# Allegro board REF_038HX-888005K4R-A100.brd (continued)
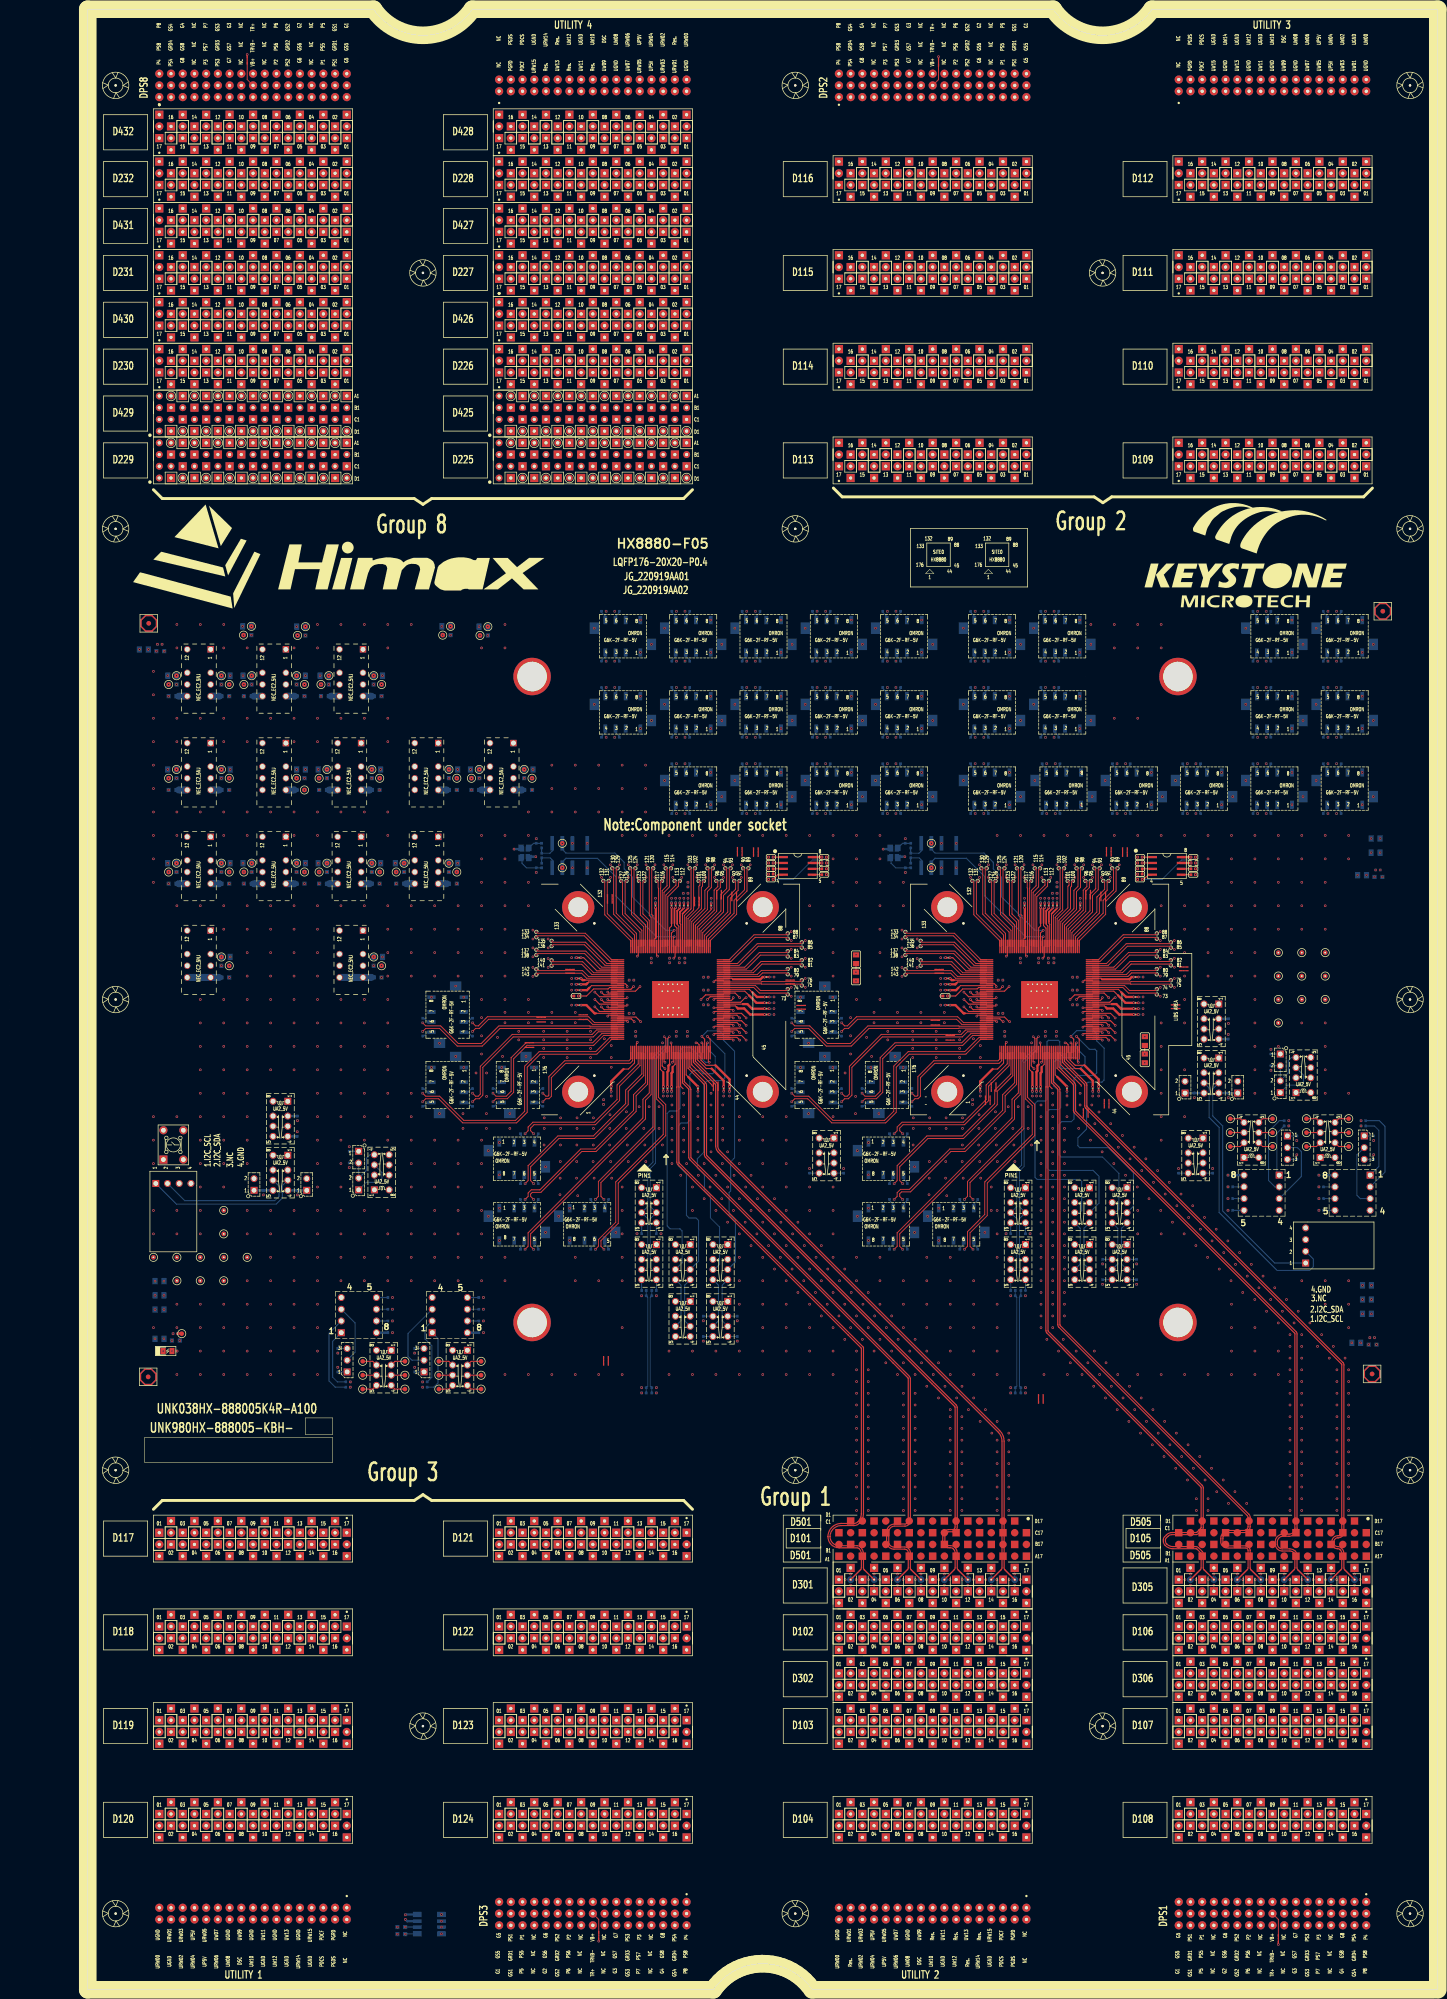
[diagram p0: board, top side]
## Routing (per net, layer and track width the routed paths; a pad name or vN(x,y) marks a point on that pad's centre or on a via; arc(x,y) is an arc through that point) (continued)
N24642488: length 2.2
  BOTTOM w0.231: K24.6 94.63,161.6 93.8,160.77 R53.2
N24642490: length 2.2
  BOTTOM w0.231: K24.5 96.83,161.55 97.66,160.72 R54.1
N24780353: length 2.4
  BOTTOM w0.231: R131.1 K12.4
N24780370: length 2.4
  BOTTOM w0.231: R132.1 K12.5
N24787993: length 2.3
  BOTTOM w0.889: 94.1,260.04 CA21.1
  BOTTOM w1.524: K34.5 94.1,260.04
N24789529: length 7.4
  BOTTOM w0.889: 61.48,219.4 CA23.1
  BOTTOM w1.524: 61.48,219.4 K36.5 K36.8
N24789779: length 2.3
  BOTTOM w0.889: 61.48,280.36 CA24.1
  BOTTOM w1.524: K37.5 61.48,280.36
N24793751: length 3.4
  TOP w0.231: UT1.3 RT5.1 RT3.1
N24793759: length 16.2
  TOP w0.231: UT1.4 149.59,241.68 v1(148.57,240.67)
  BOTTOM w0.231: v1(148.57,240.67) 152.89,240.67 157.11,244.89 159.52,244.89 v1(160.13,245.49)
N24793795: length 2.1
  TOP w0.231: UT1.6 RT7.2
N24793797: length 2.1
  TOP w0.231: UT1.5 RT8.2
N25306310: length 2.2
  BOTTOM w0.231: R102.2 93.8,185.29 94.63,184.46 K22.3
N25306320: length 2.2
  BOTTOM w0.231: K22.4 96.83,184.5 97.66,185.33 R103.1
N25306354: length 2.2
  BOTTOM w0.231: R104.2 83.17,195.33 82.34,194.5 K27.3
N25306364: length 2.2
  BOTTOM w0.231: R105.1 83.22,191.47 82.39,192.3 K27.4
N25330426: length 2.3
  BOTTOM w0.889: 61.08,239.72 CA29.1
  BOTTOM w1.524: K42.5 61.08,239.72
N25334489: length 2.3
  BOTTOM w0.889: 61.08,260.04 CA26.1
  BOTTOM w1.524: K39.5 61.08,260.04
N25337760: length 2.3
  BOTTOM w0.889: 77.79,260.04 CA34.1
  BOTTOM w1.524: K31.5 77.79,260.04
N25339188: length 2.3
  BOTTOM w0.889: 77.79,239.72 CA27.1
  BOTTOM w1.524: K40.5 77.79,239.72
N25362248: length 2.1
  BOTTOM w0.508: K33.2 R82.1
N25362250: length 2.1
  BOTTOM w0.508: K33.4 R117.1
N25362465: length 2.2
  BOTTOM w0.231: K11.3 144.88,272.51 145.71,271.68 R39.2
N25362471: length 2.2
  BOTTOM w0.231: R40.1 141.85,271.64 142.68,272.47 K11.4
N25362509: length 2.2
  BOTTOM w0.231: K8.5 142.68,264.69 141.85,265.52 R38.1
N25362552: length 2.2
  BOTTOM w0.231: K8.3 144.88,256 145.71,255.17 R35.2
N25362554: length 2.2
  BOTTOM w0.231: K8.4 142.68,255.96 141.85,255.13 R36.1
N25362556: length 2.2
  BOTTOM w0.231: R37.2 145.71,265.47 144.88,264.64 K8.6
N25362573: length 2.2
  BOTTOM w0.231: K11.6 144.88,281.15 145.71,281.98 R41.2
N25362575: length 2.2
  BOTTOM w0.231: K11.5 142.68,281.2 141.85,282.03 R42.1
N25362658: length 2.2
  BOTTOM w0.231: R18.1 172.33,298.54 173.16,297.71 K3.5
N25362663: length 2.2
  BOTTOM w0.231: K3.6 175.36,297.66 176.19,298.49 R17.2
N25362668: length 2.2
  BOTTOM w0.231: R16.1 172.33,288.15 173.16,288.98 K3.4
N25362670: length 2.2
  BOTTOM w0.231: K3.3 175.36,289.02 176.19,288.19 R15.2
N25362705: length 2.2
  BOTTOM w0.231: R10.1 172.33,282.03 173.16,281.2 K1.5
N25362707: length 2.2
  BOTTOM w0.231: K1.6 175.36,281.15 176.19,281.98 R9.2
N25362709: length 2.2
  BOTTOM w0.231: K1.4 173.16,272.47 172.33,271.64 R8.1
N25362711: length 2.2
  BOTTOM w0.231: R7.2 176.19,271.68 175.36,272.51 K1.3
N25362734: length 2.2
  BOTTOM w0.231: K2.3 175.36,256 176.19,255.17 R11.2
N25362739: length 2.2
  BOTTOM w0.231: K2.4 173.16,255.96 172.33,255.13 R12.1
N25362741: length 2.2
  BOTTOM w0.231: R22.1 157.09,298.54 157.92,297.71 K4.5
N25362761: length 2.2
  BOTTOM w0.231: R19.2 160.95,288.19 160.12,289.02 K4.3
N25362763: length 2.2
  BOTTOM w0.231: R20.1 157.09,288.15 157.92,288.98 K4.4
N25362765: length 2.2
  BOTTOM w0.231: K4.6 160.12,297.66 160.95,298.49 R21.2
N25362815: length 2.2
  BOTTOM w0.231: R26.1 157.09,265.52 157.92,264.69 K5.5
N25362863: length 2.2
  BOTTOM w0.231: K5.3 160.12,256 160.95,255.17 R23.2
N25362865: length 2.2
  BOTTOM w0.231: K5.4 157.92,255.96 157.09,255.13 R24.1
N25362867: length 2.2
  BOTTOM w0.231: R25.2 160.95,265.47 160.12,264.64 K5.6
N25363066: length 2.2
  BOTTOM w0.231: K16.3 129.64,256 130.47,255.17 R67.2
N25363068: length 2.2
  BOTTOM w0.231: R68.1 126.61,255.13 127.44,255.96 K16.4
N25363070: length 2.2
  BOTTOM w0.231: R70.1 126.61,265.52 127.44,264.69 K16.5
N25363072: length 2.2
  BOTTOM w0.231: K16.6 129.64,264.64 130.47,265.47 R69.2
N25363098: length 2.2
  BOTTOM w0.231: K17.3 129.64,272.51 130.47,271.68 R71.2
N25363100: length 2.2
  BOTTOM w0.231: K17.4 127.44,272.47 126.61,271.64 R72.1
N25363118: length 2.2
  BOTTOM w0.231: R74.1 126.61,282.03 127.44,281.2 K17.5
N25363120: length 2.2
  BOTTOM w0.231: K17.6 129.64,281.15 130.47,281.98 R73.2
N25363130: length 2.2
  BOTTOM w0.231: K21.3 129.64,289.02 130.47,288.19 R75.2
N25363148: length 2.2
  BOTTOM w0.231: R76.1 126.61,288.15 127.44,288.98 K21.4
N25363150: length 2.2
  BOTTOM w0.231: R78.1 126.61,298.54 127.44,297.71 K21.5
N25363152: length 2.2
  BOTTOM w0.231: R77.2 130.47,298.49 129.64,297.66 K21.6
N25363178: length 2.2
  BOTTOM w0.231: R79.2 115.23,271.68 114.4,272.51 K29.3
N25363180: length 2.2
  BOTTOM w0.231: K29.4 112.2,272.47 111.37,271.64 R80.1
N25363198: length 2.2
  BOTTOM w0.231: K2.5 173.16,264.69 172.33,265.52 R14.1
N25363200: length 2.2
  BOTTOM w0.231: R13.2 176.19,265.47 175.36,264.64 K2.6
N25363358: length 2.2
  BOTTOM w0.231: R43.2 115.23,281.98 114.4,281.15 K29.6
N25363360: length 2.2
  BOTTOM w0.231: R44.1 111.37,282.03 112.2,281.2 K29.5
N25363376: length 2.2
  BOTTOM w0.231: R63.2 115.23,288.19 114.4,289.02 K30.3
N25363378: length 2.2
  BOTTOM w0.231: R64.1 111.37,288.15 112.2,288.98 K30.4
N25363404: length 2.2
  BOTTOM w0.231: K30.5 112.2,297.71 111.37,298.54 R101.1
N25363406: length 2.2
  BOTTOM w0.231: K30.6 114.4,297.66 115.23,298.49 R100.2
N25363469: length 2.2
  BOTTOM w0.231: K6.5 157.92,281.2 157.09,282.03 R30.1
N25363533: length 2.2
  BOTTOM w0.231: K6.3 160.12,272.51 160.95,271.68 R27.2
N25363535: length 2.2
  BOTTOM w0.231: R28.1 157.09,271.64 157.92,272.47 K6.4
N25363537: length 2.2
  BOTTOM w0.231: K6.6 160.12,281.15 160.95,281.98 R29.2
N25363539: length 2.2
  BOTTOM w0.231: R34.1 141.85,298.54 142.68,297.71 K7.5
N25363555: length 2.2
  BOTTOM w0.231: R31.2 145.71,288.19 144.88,289.02 K7.3
N25363557: length 2.2
  BOTTOM w0.231: R32.1 141.85,288.15 142.68,288.98 K7.4
N25363559: length 2.2
  BOTTOM w0.231: K7.6 144.88,297.66 145.71,298.49 R33.2
N25363681: length 5.3
  BOTTOM w0.231: R5.1 R6.2 100.25,245.33 100.66,244.92 K18.4
N25363685: length 5.3
  BOTTOM w0.231: R133.1 R6.1 100.19,246.33 100.66,246.8 K18.5
N25363701: length 3.5
  BOTTOM w0.231: R133.2 C5.1 96.65,248.49 Y1.1
N25363703: length 6.1
  BOTTOM w0.231: R5.2 C6.1 95.12,243.17 94.14,244.15 Y1.3
N25363863: length 2.1
  BOTTOM w0.231: K13.5 R120.2
N25363865: length 2.1
  BOTTOM w0.231: K13.4 R119.2
N25363959: length 4.1
  BOTTOM w0.508: J5.1 R84.2 K28.5
N25363975: length 4.1
  BOTTOM w0.508: K28.4 R83.2 J4.1
N25462044: length 2.3
  BOTTOM w0.889: 52.36,260.04 CA37.1
  BOTTOM w1.524: K39.8 52.36,260.04
N25462912: length 2.3
  BOTTOM w0.889: 52.36,239.72 CA40.1
  BOTTOM w1.524: K42.8 52.36,239.72
N25463486: length 2.3
  BOTTOM w0.889: 69.07,239.72 CA28.1
  BOTTOM w1.524: K40.8 69.07,239.72
N25464528: length 2.3
  BOTTOM w0.889: 52.77,280.36 CA25.1
  BOTTOM w1.524: K37.8 52.77,280.36
N25465136: length 2.3
  BOTTOM w0.889: 85.38,260.04 CA22.1
  BOTTOM w1.524: K34.8 85.38,260.04
N25611014: length 12.4
  BOTTOM w0.231: UNK2R85.2 UNK2J1.2 UNK2S1_RST_N.2 260.23,198.73 260.23,201.39 260.9,202.06 UNK2K10.4
N25611025: length 2
  BOTTOM w0.231: UNK2J1.1 UNK2C7.1
N25611039: length 2.2
  BOTTOM w0.231: UNK2R55.2 163.17,210.57 162.34,209.74 UNK2K25.3
N25611040: length 2.2
  BOTTOM w0.231: UNK2R56.1 163.22,206.71 162.39,207.54 UNK2K25.4
N25611041: length 2.2
  BOTTOM w0.231: UNK2R57.2 152.88,210.57 153.71,209.74 UNK2K25.6
N25611042: length 2.2
  BOTTOM w0.231: UNK2R58.1 152.83,206.71 153.66,207.54 UNK2K25.5
N25611050: length 2.2
  BOTTOM w0.231: UNK2K26.3 177.58,194.5 178.41,195.33 UNK2R59.2
N25611051: length 2.2
  BOTTOM w0.231: UNK2K26.4 177.63,192.3 178.46,191.47 UNK2R60.1
N25611052: length 2.2
  BOTTOM w0.231: UNK2K26.6 168.95,194.5 168.12,195.33 UNK2R61.2
N25611053: length 2.2
  BOTTOM w0.231: UNK2R62.1 168.07,191.47 168.9,192.3 UNK2K26.5
N25611061: length 2.2
  BOTTOM w0.231: UNK2K27.5 153.66,192.3 152.83,191.47 UNK2R66.1
N25611062: length 2.2
  BOTTOM w0.231: UNK2R65.2 152.88,195.33 153.71,194.5 UNK2K27.6
N25611083: length 2.2
  BOTTOM w0.231: UNK2K22.6 174.63,175.83 173.8,175 UNK2R45.2
N25611084: length 2.2
  BOTTOM w0.231: UNK2K22.5 176.83,175.78 177.66,174.95 UNK2R46.1
N25611085: length 2.2
  BOTTOM w0.231: UNK2R47.2 189.04,171.07 189.87,170.24 UNK2K23.3
N25611086: length 2.2
  BOTTOM w0.231: UNK2R48.1 192.9,171.11 192.07,170.28 UNK2K23.4
N25611087: length 2.2
  BOTTOM w0.231: UNK2K23.6 189.87,161.6 189.04,160.77 UNK2R49.2
N25611088: length 2.2
  BOTTOM w0.231: UNK2K23.5 192.07,161.55 192.9,160.72 UNK2R50.1
N25611096: length 2.2
  BOTTOM w0.231: UNK2R51.2 173.8,171.07 174.63,170.24 UNK2K24.3
N25611097: length 2.2
  BOTTOM w0.231: UNK2R52.1 177.66,171.11 176.83,170.28 UNK2K24.4
N25611098: length 2.2
  BOTTOM w0.231: UNK2K24.6 174.63,161.6 173.8,160.77 UNK2R53.2
N25611099: length 2.2
  BOTTOM w0.231: UNK2K24.5 176.83,161.55 177.66,160.72 UNK2R54.1
N25611164: length 2.4
  BOTTOM w0.231: UNK2R131.1 UNK2K12.4
N25611166: length 2.4
  BOTTOM w0.231: UNK2R132.1 UNK2K12.5
N25611179: length 2.2
  BOTTOM w0.231: UNK2R102.2 173.8,185.29 174.63,184.46 UNK2K22.3
N25611180: length 2.2
  BOTTOM w0.231: UNK2K22.4 176.83,184.5 177.66,185.33 UNK2R103.1
N25611181: length 2.2
  BOTTOM w0.231: UNK2R104.2 163.17,195.33 162.34,194.5 UNK2K27.3
N25611182: length 2.2
  BOTTOM w0.231: UNK2R105.1 163.22,191.47 162.39,192.3 UNK2K27.4
N25611602: length 2.1
  BOTTOM w0.508: UNK2K33.2 UNK2R82.1
N25611603: length 2.1
  BOTTOM w0.508: UNK2K33.4 UNK2R117.1
N25611639: length 2.2
  BOTTOM w0.231: UNK2R39.2 210.47,288.19 209.64,289.02 UNK2K11.3
N25611640: length 2.2
  BOTTOM w0.231: UNK2K11.4 207.44,288.98 206.61,288.15 UNK2R40.1
N25611647: length 2.2
  BOTTOM w0.231: UNK2R38.1 222.11,265.52 222.94,264.69 UNK2K8.5
N25611655: length 2.2
  BOTTOM w0.231: UNK2K8.3 225.14,256 225.97,255.17 UNK2R35.2
N25611656: length 2.2
  BOTTOM w0.231: UNK2K8.4 222.94,255.96 222.11,255.13 UNK2R36.1
N25611657: length 2.2
  BOTTOM w0.231: UNK2K8.6 225.14,264.64 225.97,265.47 UNK2R37.2
N25611658: length 2.2
  BOTTOM w0.231: UNK2K11.6 209.64,297.66 210.47,298.49 UNK2R41.2
N25611659: length 2.2
  BOTTOM w0.231: UNK2R42.1 206.61,298.54 207.44,297.71 UNK2K11.5
N25611669: length 2.2
  BOTTOM w0.231: UNK2K3.5 268.66,297.71 267.83,298.54 UNK2R18.1
N25611670: length 2.2
  BOTTOM w0.231: UNK2K3.6 270.86,297.66 271.69,298.49 UNK2R17.2
N25611671: length 2.2
  BOTTOM w0.231: UNK2R16.1 267.83,288.15 268.66,288.98 UNK2K3.4
N25611672: length 2.2
  BOTTOM w0.231: UNK2R15.2 271.69,288.19 270.86,289.02 UNK2K3.3
N25611686: length 2.2
  BOTTOM w0.231: UNK2R10.1 267.83,265.52 268.66,264.69 UNK2K1.5
N25611687: length 2.2
  BOTTOM w0.231: UNK2K1.6 270.86,264.64 271.69,265.47 UNK2R9.2
N25611688: length 2.2
  BOTTOM w0.231: UNK2K1.4 268.66,255.96 267.83,255.13 UNK2R8.1
N25611689: length 2.2
  BOTTOM w0.231: UNK2K1.3 270.86,256 271.69,255.17 UNK2R7.2
N25611697: length 2.2
  BOTTOM w0.231: UNK2K2.3 270.86,272.51 271.69,271.68 UNK2R11.2
N25611700: length 2.2
  BOTTOM w0.231: UNK2R12.1 267.83,271.64 268.66,272.47 UNK2K2.4
N25611701: length 2.2
  BOTTOM w0.231: UNK2R22.1 252.59,298.54 253.42,297.71 UNK2K4.5
N25611709: length 2.2
  BOTTOM w0.231: UNK2R19.2 256.45,288.19 255.62,289.02 UNK2K4.3
N25611710: length 2.2
  BOTTOM w0.231: UNK2R20.1 252.59,288.15 253.42,288.98 UNK2K4.4
N25611711: length 2.2
  BOTTOM w0.231: UNK2K4.6 255.62,297.66 256.45,298.49 UNK2R21.2
N25611712: length 2.2
  BOTTOM w0.231: UNK2R26.1 252.59,265.52 253.42,264.69 UNK2K5.5
N25611720: length 2.2
  BOTTOM w0.231: UNK2R23.2 256.45,255.17 255.62,256 UNK2K5.3
N25611721: length 2.2
  BOTTOM w0.231: UNK2K5.4 253.42,255.96 252.59,255.13 UNK2R24.1
N25611722: length 2.2
  BOTTOM w0.231: UNK2K5.6 255.62,264.64 256.45,265.47 UNK2R25.2
N25611735: length 2.2
  BOTTOM w0.231: UNK2K16.3 209.64,272.51 210.47,271.68 UNK2R67.2
N25611736: length 2.2
  BOTTOM w0.231: UNK2R68.1 206.61,271.64 207.44,272.47 UNK2K16.4
N25611737: length 2.2
  BOTTOM w0.231: UNK2K16.5 207.44,281.2 206.61,282.03 UNK2R70.1
N25611738: length 2.2
  BOTTOM w0.231: UNK2R69.2 210.47,281.98 209.64,281.15 UNK2K16.6
N25611739: length 2.2
  BOTTOM w0.231: UNK2R71.2 210.73,255.17 209.9,256 UNK2K17.3
N25611740: length 2.2
  BOTTOM w0.231: UNK2K17.4 207.7,255.96 206.87,255.13 UNK2R72.1
N25611741: length 2.2
  BOTTOM w0.231: UNK2R74.1 206.87,265.52 207.7,264.69 UNK2K17.5
N25611742: length 2.2
  BOTTOM w0.231: UNK2K17.6 209.9,264.64 210.73,265.47 UNK2R73.2
N25611743: length 2.2
  BOTTOM w0.231: UNK2K21.3 194.4,289.02 195.23,288.19 UNK2R75.2
N25611744: length 2.2
  BOTTOM w0.231: UNK2R76.1 191.37,288.15 192.2,288.98 UNK2K21.4
N25611745: length 2.2
  BOTTOM w0.231: UNK2K21.5 192.2,297.71 191.37,298.54 UNK2R78.1
N25611746: length 2.2
  BOTTOM w0.231: UNK2R77.2 195.23,298.49 194.4,297.66 UNK2K21.6
N25611747: length 2.2
  BOTTOM w0.231: UNK2R79.2 195.23,271.68 194.4,272.51 UNK2K29.3
N25611748: length 2.2
  BOTTOM w0.231: UNK2K29.4 192.2,272.47 191.37,271.64 UNK2R80.1
N25611749: length 2.2
  BOTTOM w0.231: UNK2R14.1 267.83,282.03 268.66,281.2 UNK2K2.5
N25611750: length 2.2
  BOTTOM w0.231: UNK2R13.2 271.69,281.98 270.86,281.15 UNK2K2.6
N25611839: length 2.2
  BOTTOM w0.231: UNK2R43.2 195.23,281.98 194.4,281.15 UNK2K29.6
N25611840: length 2.2
  BOTTOM w0.231: UNK2K29.5 192.2,281.2 191.37,282.03 UNK2R44.1
N25611845: length 2.2
  BOTTOM w0.231: UNK2K30.3 194.4,256 195.23,255.17 UNK2R63.2
N25611846: length 2.2
  BOTTOM w0.231: UNK2K30.4 192.2,255.96 191.37,255.13 UNK2R64.1
N25611847: length 2.2
  BOTTOM w0.231: UNK2R101.1 191.37,265.52 192.2,264.69 UNK2K30.5
N25611848: length 2.2
  BOTTOM w0.231: UNK2R100.2 195.23,265.47 194.4,264.64 UNK2K30.6
N25611859: length 2.2
  BOTTOM w0.231: UNK2R30.1 252.59,282.03 253.42,281.2 UNK2K6.5
N25611867: length 2.2
  BOTTOM w0.231: UNK2K6.3 255.62,272.51 256.45,271.68 UNK2R27.2
N25611868: length 2.2
  BOTTOM w0.231: UNK2K6.4 253.42,272.47 252.59,271.64 UNK2R28.1
N25611869: length 2.2
  BOTTOM w0.231: UNK2R29.2 256.45,281.98 255.62,281.15 UNK2K6.6
N25611870: length 2.2
  BOTTOM w0.231: UNK2K7.5 238.18,264.69 237.35,265.52 UNK2R34.1
N25611878: length 2.2
  BOTTOM w0.231: UNK2K7.3 240.38,256 241.21,255.17 UNK2R31.2
N25611879: length 2.2
  BOTTOM w0.231: UNK2R32.1 237.35,255.13 238.18,255.96 UNK2K7.4
N25611880: length 2.2
  BOTTOM w0.231: UNK2K7.6 240.38,264.64 241.21,265.47 UNK2R33.2
N25611892: length 5.3
  BOTTOM w0.231: UNK2K18.4 180.66,244.92 180.25,245.33 UNK2R6.2 UNK2R5.1
N25611894: length 5.3
  BOTTOM w0.231: UNK2K18.5 180.66,246.8 180.19,246.33 UNK2R6.1 UNK2R133.1
N25611895: length 3.5
  BOTTOM w0.231: UNK2Y1.1 176.65,248.49 UNK2C5.1 UNK2R133.2
N25611896: length 6.1
  BOTTOM w0.231: UNK2Y1.3 174.14,244.15 175.12,243.17 UNK2C6.1 UNK2R5.2
N25611925: length 2.1
  BOTTOM w0.231: UNK2R120.2 UNK2K13.5
N25611926: length 2.1
  BOTTOM w0.231: UNK2R119.2 UNK2K13.4
N25611946: length 4.1
  BOTTOM w0.508: UNK2J5.1 UNK2R84.2 UNK2K28.5
N25611950: length 4.1
  BOTTOM w0.508: UNK2J4.1 UNK2R83.2 UNK2K28.4
N25615773: length 2
  BOTTOM w0.231: UNK2R89.1 UNK2J2.1
N25615777: length 2
  BOTTOM w0.231: UNK2R96.1 UNK2J3.1
N25615779: length 2
  BOTTOM w0.231: UNK2J3.3 UNK2R93.1
N25615786: length 2.5
  BOTTOM w0.231: UNK2U1.7 UNK2R90.1
N25615811: length 15.6
  BOTTOM w0.231: UNK2U1.3 263.07,176.29 263.07,181.66 262.21,182.53 UNK2J2.2
N25615820: length 2.5
  BOTTOM w0.231: UNK2U2.7 UNK2R97.1
N25615847: length 14.2
  BOTTOM w0.231: UNK2J3.2 275.1,180.92 275.1,172.22 275.84,171.48 UNK2U2.3
N25615858: length 2
  BOTTOM w0.231: UNK2J2.3 UNK2R86.1
N25616611: length 2.3
  BOTTOM w0.889: 44.77,280.36 UNK2CA21.1
  BOTTOM w1.524: UNK2K34.5 44.77,280.36
N25616617: length 7.4
  BOTTOM w0.889: 28.46,219.4 UNK2CA23.1
  BOTTOM w1.524: 28.46,219.4 UNK2K36.5 UNK2K36.8
N25616622: length 2.3
  BOTTOM w0.889: 28.46,280.36 UNK2CA24.1
  BOTTOM w1.524: UNK2K37.5 28.46,280.36
N25616748: length 2.3
  BOTTOM w0.889: 28.46,239.72 UNK2CA29.1
  BOTTOM w1.524: UNK2K42.5 28.46,239.72
N25616755: length 2.3
  BOTTOM w0.889: 28.46,260.04 UNK2CA26.1
  BOTTOM w1.524: UNK2K39.5 28.46,260.04
N25616834: length 2.3
  BOTTOM w0.889: 44.77,260.04 UNK2CA34.1
  BOTTOM w1.524: UNK2K31.5 44.77,260.04
N25616842: length 2.3
  BOTTOM w0.889: 44.77,239.72 UNK2CA27.1
  BOTTOM w1.524: UNK2K40.5 44.77,239.72
N25616987: length 2.3
  BOTTOM w0.889: 19.75,260.04 UNK2CA37.1
  BOTTOM w1.524: UNK2K39.8 19.75,260.04
N25616993: length 2.3
  BOTTOM w0.889: 19.75,239.72 UNK2CA40.1
  BOTTOM w1.524: UNK2K42.8 19.75,239.72
N25616997: length 2.3
  BOTTOM w0.889: 36.05,239.72 UNK2CA28.1
  BOTTOM w1.524: UNK2K40.8 36.05,239.72
N25616999: length 2.3
  BOTTOM w0.889: 19.75,280.36 UNK2CA25.1
  BOTTOM w1.524: UNK2K37.8 19.75,280.36
N25617005: length 2.3
  BOTTOM w0.889: 36.05,280.36 UNK2CA22.1
  BOTTOM w1.524: UNK2K34.8 36.05,280.36
N25619537: length 3.4
  TOP w0.231: UNK2RT3.1 UNK2RT5.1 UNK2UT1.3
N25619539: length 16.2
  TOP w0.231: v1(228.57,240.67) 228.91,240.67 229.92,241.68 UNK2UT1.4
  BOTTOM w0.231: v1(240.13,245.49) 239.52,244.89 237.11,244.89 232.89,240.67 v1(228.57,240.67)
N25619557: length 2.1
  TOP w0.231: UNK2UT1.6 UNK2RT7.2
N25619558: length 2.1
  TOP w0.231: UNK2UT1.5 UNK2RT8.2

## Copper pours and planes (outline as drawn; the poured copper is in the pictures)
AGND on L03_SIGNAL (solid shape): 117.13,146.05 117.24,146.07 117.31,145.97 117.31,144.6 72.07,99.36 71.96,99.34 71.89,99.44 71.89,100.81
AGND on L03_SIGNAL (solid shape): 179.49,111.78 179.58,111.71 179.56,111.6 179.25,111.29 163,111.29 162.9,111.36 162.93,111.47 163.23,111.78
AGND on L03_SIGNAL (solid shape): 103.18,141.65 103.29,141.68 103.35,141.58 103.35,140.65 67.62,104.93 67.51,104.91 67.45,105 67.45,105.29 94.62,132.45 94.62,133.09
AGND on L03_SIGNAL (solid shape): 189.61,153.97 189.72,153.99 189.78,153.89 189.78,139.1 182.05,131.36 182.05,114.09 181.97,114.01 181.86,113.99 181.8,114.09 181.8,132.31 183.01,133.52 183.01,135.26 189.43,141.67 189.43,153.78
AGND on L03_SIGNAL (solid shape): 193.23,132.29 193.34,132.31 193.4,132.22 193.4,127.86 190.06,124.52 190.06,102.97 189.38,102.29 187.91,102.29 187.82,102.35 187.84,102.46 188.75,103.37 188.75,125.95 192.95,130.15 192.95,132.02
AGND on L03_SIGNAL (solid shape): 120.62,42.56 120.71,42.5 120.69,42.39 117.23,38.93 117.2,38.93 116.91,38.91 116.64,38.8 116.54,38.79 116.48,38.88 116.48,41.56 117.49,42.56
AGND on L03_SIGNAL (solid shape): 125.32,62.51 125.42,62.45 125.39,62.34 122.31,59.25 122.28,59.25 121.96,59.23 121.68,59.08 121.57,59.07 121.51,59.16 121.51,61.71 122.32,62.51
AGND on L03_SIGNAL (solid shape): 196.93,124.65 197.04,124.67 197.11,124.59 197.47,124.23 197.47,103.11 197.35,102.99 196.27,102.99 195.83,103.44 195.83,115.27 195.09,116.01 193.81,116.01 193.24,115.44 193.24,100.66 192.85,100.26 192.47,100.26 192.38,100.33 192.4,100.44 192.9,100.94 192.9,120.62
AGND on L03_SIGNAL (solid shape): 111.34,158.93 111.34,152.71 111.88,152.16 113.08,152.16 113.23,152.3 113.34,152.33 113.4,152.23 113.4,145.53 70.16,102.3 70.05,102.28 69.99,102.37 69.99,103.17 106.92,140.1 106.92,158.62 107.23,158.93 107.76,158.93 108.04,158.65 108.04,146.5 108.65,145.89 109.78,145.89 110.38,146.48 110.38,158.94 110.53,159.1 111.17,159.1
AGND on L03_SIGNAL (solid shape): 116.53,43.28 116.63,43.22 116.6,43.11 115.48,41.98 115.48,37.7 115.09,37.31 112.67,37.31 112.57,37.37 112.6,37.48 112.82,37.81 112.86,38.19 112.86,38.22 114.15,39.51 114.15,41.89 115.54,43.28
AGND on L03_SIGNAL (solid shape): 139.4,140.83 139.46,140.74 139.46,133.95 110.13,104.62 91.45,104.62 91.36,104.68 91.38,104.79 91.57,104.98 102.52,104.98 138.05,140.5 138.05,140.69 138.1,140.78 138.2,140.78 138.76,140.63 139.3,140.82
AGND on L03_SIGNAL (solid shape): 62.46,70.86 62.57,70.88 62.63,70.79 62.63,70.69 58.19,66.25 58.19,63.71 53.73,59.25 53.7,59.25 52.83,58.74 53.09,57.76 53.12,57.65 53.02,57.58 50.43,57.58 50.43,58.83
AGND on L03_SIGNAL (solid shape): 113.7,56.35 113.79,56.3 113.8,56.21 113.9,55.38 114.66,55.05 114.69,55.05 118.89,50.84 118.91,50.73 118.82,50.67 115.41,50.67 110.32,55.76 110.32,55.79 110.32,56 110.26,56.21 110.27,56.3 110.36,56.35
AGND on L03_SIGNAL (solid shape): 118.78,56.35 118.87,56.3 118.88,56.21 118.98,55.38 119.74,55.05 119.77,55.05 123.34,51.48 123.36,51.37 123.27,51.3 119.86,51.3 115.4,55.76 115.4,55.79 115.4,56 115.34,56.21 115.35,56.3 115.44,56.35
AGND on L03_SIGNAL (solid shape): 50.45,36.37 50.54,36.3 50.52,36.19 50.23,35.51 50.59,34.87 50.62,34.85 50.62,34.72 50.51,34.61 48.73,34.61 48.15,34.04 46.81,35.38 46.81,35.41 46.78,35.84 46.54,36.19 46.51,36.3 46.61,36.37
AGND on L03_SIGNAL (solid shape): 104.63,38.89 106.34,38.89 106.37,38.85 106.4,38.78 106.37,38.71 106.11,38.09 106.38,37.48 106.41,37.37 106.31,37.31 102.51,37.31 102.41,37.37 102.44,37.48 102.66,37.83 102.69,38.25 102.69,38.28 103.96,39.55
AGND on L03_SIGNAL (solid shape): 57.86,43.31 57.95,43.25 57.93,43.14 53.73,38.93 53.7,38.93 52.87,38.49 52.98,37.55 53,37.44 52.9,37.38 49.24,37.38 49.14,37.44 49.16,37.55 49.33,37.85 49.36,38.19 49.36,38.22 54.45,43.31
AGND on L03_SIGNAL (solid shape): 98.64,36.3 98.73,36.24 98.71,36.13 98.58,35.18 99.42,34.73 99.45,34.73 105.57,28.6 105.59,28.49 105.5,28.43 102.09,28.43 95.08,35.44 95.08,35.47 95.05,35.82 94.87,36.13 94.85,36.24 94.94,36.3
AGND on L03_SIGNAL (solid shape): 103.72,36.3 103.81,36.24 103.79,36.13 103.66,35.18 104.5,34.73 104.53,34.73 110.02,29.24 110.04,29.13 109.95,29.07 106.54,29.07 100.16,35.44 100.16,35.47 100.13,35.82 99.95,36.13 99.93,36.24 100.02,36.3
AGND on L03_SIGNAL (solid shape): 108.8,36.3 108.89,36.24 108.87,36.13 108.74,35.18 109.58,34.73 109.61,34.73 114.46,29.87 114.48,29.76 114.39,29.7 110.98,29.7 105.24,35.44 105.24,35.47 105.21,35.82 105.03,36.13 105.01,36.24 105.1,36.3
AGND on L03_SIGNAL (solid shape): 113.88,36.3 113.97,36.24 113.95,36.13 113.82,35.18 114.66,34.73 114.69,34.73 118.91,30.51 118.93,30.4 118.84,30.34 115.43,30.34 110.32,35.44 110.32,35.47 110.29,35.82 110.11,36.13 110.09,36.24 110.18,36.3
AGND on L03_SIGNAL (solid shape): 136.79,69.13 136.79,65.02 136.63,64.87 116.47,64.87 115.57,63.96 115.57,59.25 116.28,58.54 116.28,58.51 117.7,57.83 117.02,59.25 116.99,59.25 116.57,59.67 116.57,63.54 116.89,63.86 137.05,63.86 137.39,64.2 137.5,64.22 137.56,64.13 137.56,63.97 137.11,63.52 121.9,63.52 120.5,62.12 120.5,58.06 119.8,57.36 113.94,57.36 113.89,57.39 113.91,57.45 113.91,65.34 116.64,68.08 116.77,68.08 116.82,68.04 116.81,67.99 116.48,67.66 116.48,66.51 117.1,65.89 134.98,65.89 135.72,66.64 135.72,69.28 135.79,69.35 136.57,69.35
AGND on L03_SIGNAL (solid shape): outline of 145 points within 143.65,94.94 192.85,168.97
AGND on L03_SIGNAL (solid shape): outline of 175 points within 143.01,96.61 185.33,160.07
AGND on L03_SIGNAL (solid shape): outline of 379 points within 120.29,51.94 138.83,62.27
AGND on L03_SIGNAL (solid shape): outline of 521 points within 115.16,31.04 155.03,55.1